# Altium PCB PCB_UDC_PlacaControle_V2.0.PcbDoc (part 5 of 7)
Units mm, origin at the board's own origin, x right, y up, seen from the top; angles counter-clockwise.
Board outline 161.76 x 100.25 mm, 6 copper layers (Top Layer, GND, Signal 1, Signal 2, VCC, Bottom Layer); 548 components, 515 nets, 2193 pads, 1225 vias.
Unrouted connection lines stored in the file: 7.
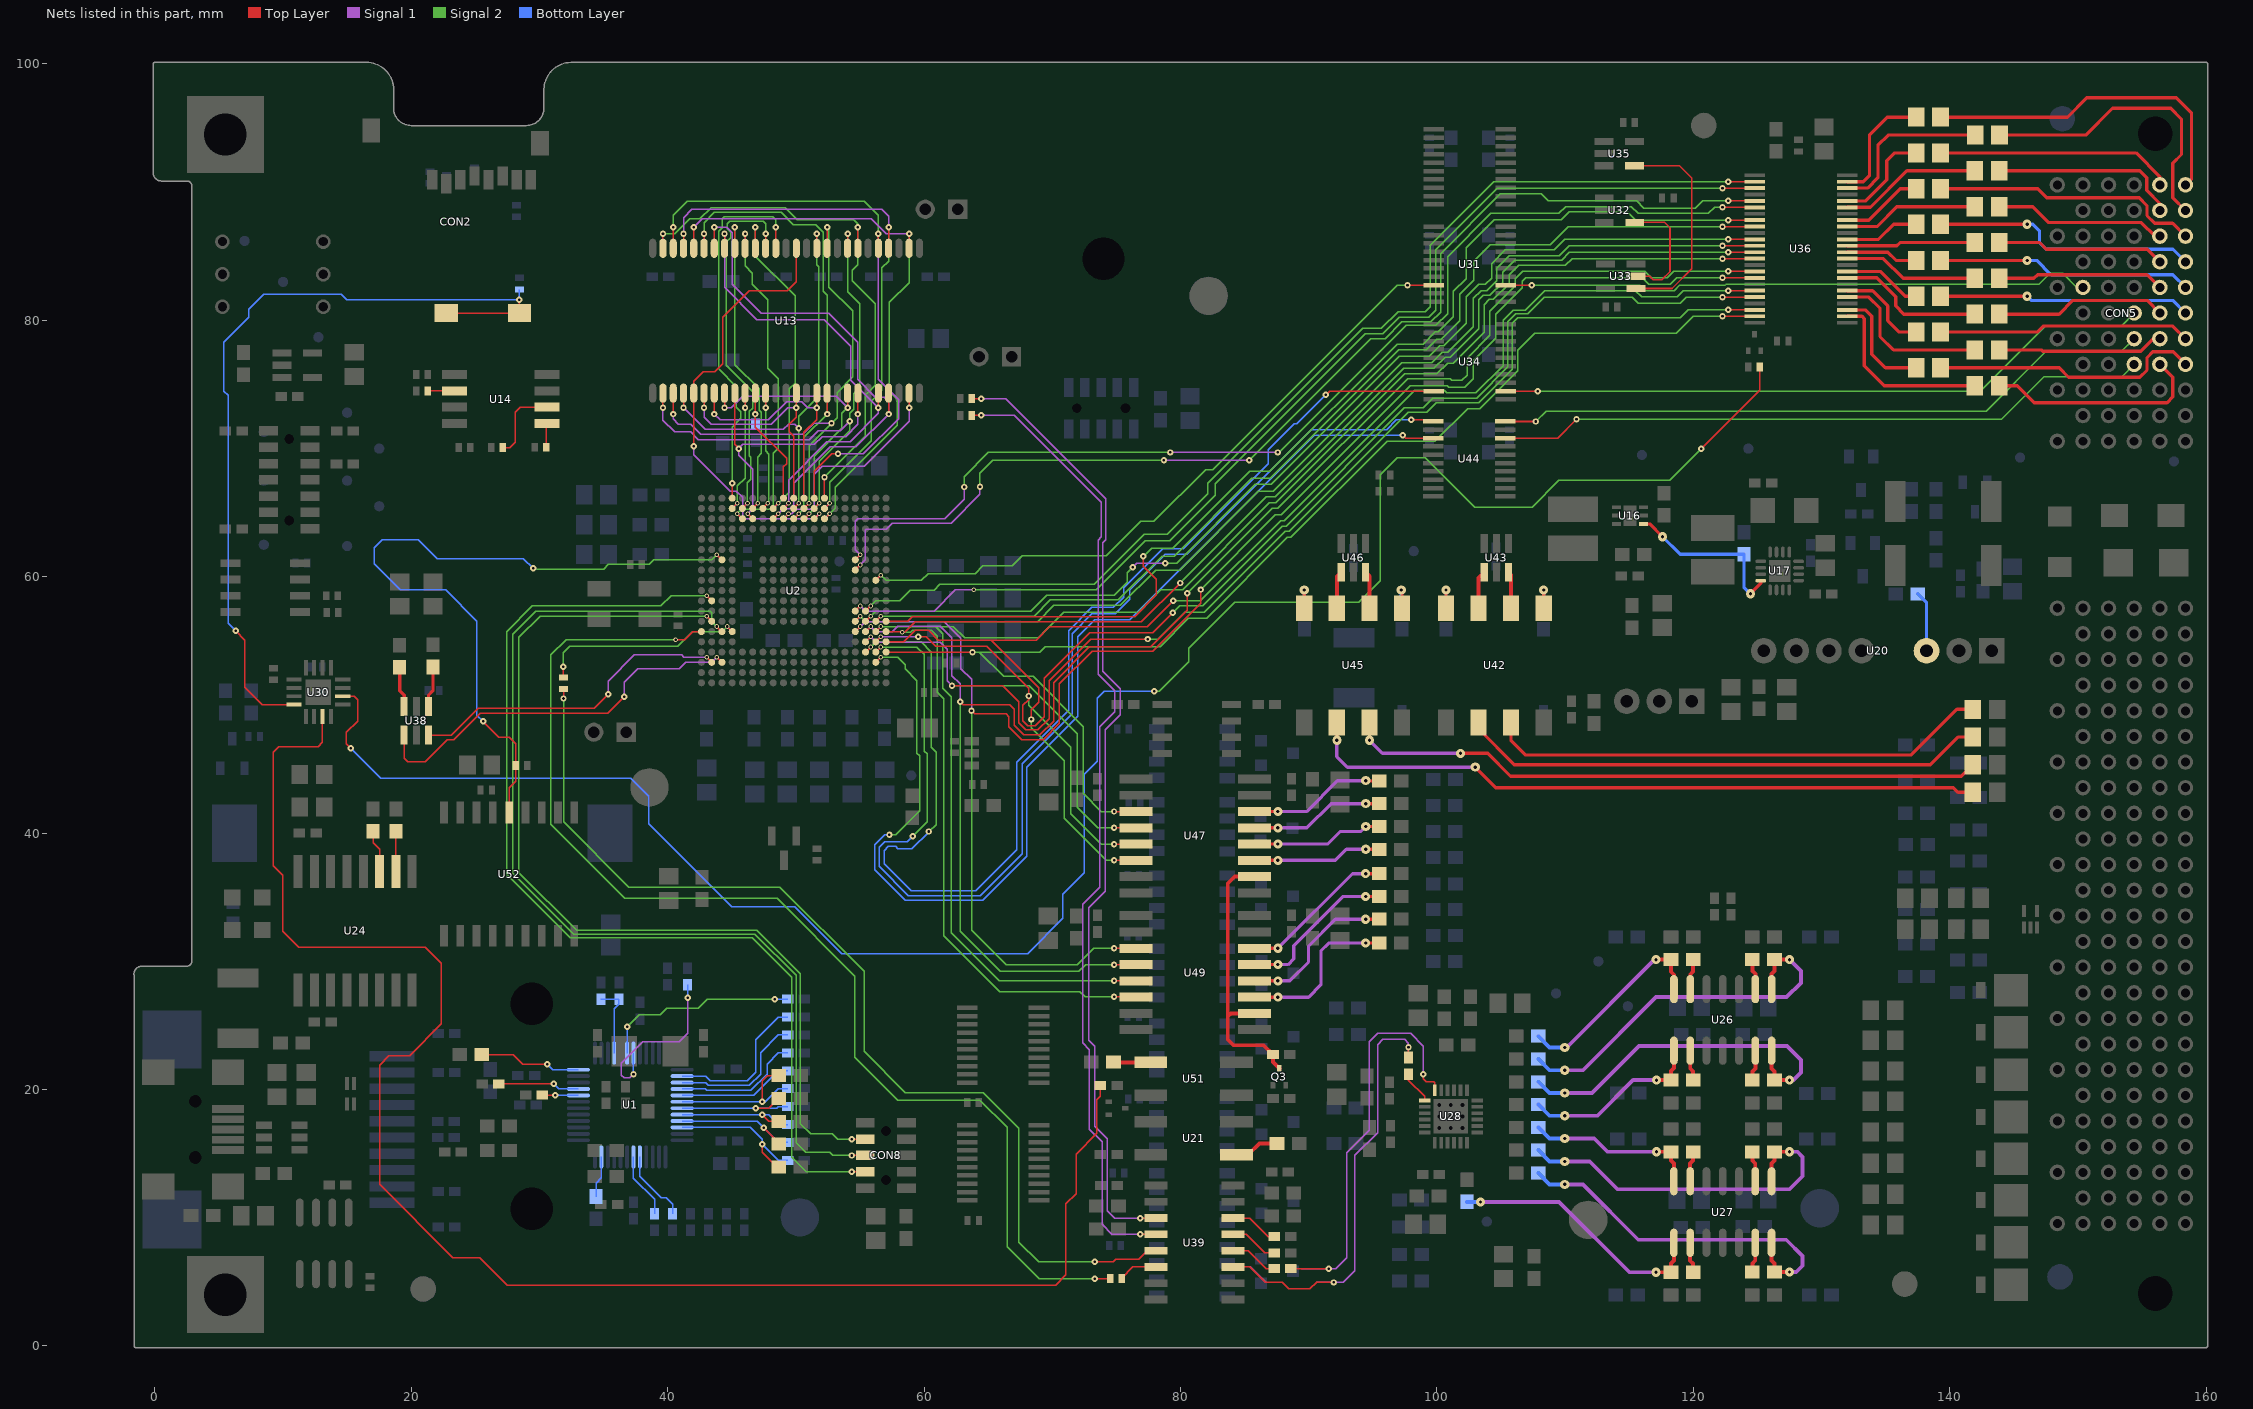
[diagram p9: the nets of this part, all layers, seen from the top]

## Via types
v1: diameter 0.711, hole 0.254, Top Layer to Bottom Layer, tented both sides, 600 vias
v2: diameter 0.5, hole 0.2, Top Layer to Bottom Layer, tented both sides, 404 vias
v3: diameter 0.36, hole 0.2, Top Layer to Bottom Layer, tented both sides, 212 vias
v4: diameter 0.5, hole 0.2, Top Layer to Bottom Layer, tented top, 5 vias
v5: diameter 0.5, hole 0.254, Top Layer to Bottom Layer, tented both sides, 2 vias
v6: diameter 0.5, hole 0.2, Top Layer to Bottom Layer, 2 vias

## Nets (pads, with @x,y where several pads share a name; then routed paths per layer and width w, separated by ;. In a path a pad name is that pad's centre, name@x,y a point inside that pad or via, vN(x,y) a via of type N, cw(c..) or ccw(c..) an arc to the next point about the centre after c; other vN are vias at no path point) (continued)
NetR9_2: R9.2 U1.5 | length 5.7
  Bottom Layer w0.102: U1.5@37.834,14.746 37.834,13.22 39.497,11.557 39.878,11.557 40.386,11.049 R9.2@40.386,10.317
NetR10_2: R10.2 U1.6 | length 5.1
  Bottom Layer w0.102: U1.6@37.334,14.746 37.334,13.085 38.989,11.43 R10.2@38.989,10.317
NetR11_2: R11.2 U1.38 | length 11.9
  Bottom Layer w0.102: U1.38@41.134,21.046 42.962,21.046 43.307,20.701 46.228,20.701 46.863,21.336 46.863,23.876 48.641,25.654 R11.2@49.373,25.654
NetR12_2: R12.2 U1.39 | length 10.9
  Bottom Layer w0.102: U1.39@41.134,20.546 42.954,20.546 43.18,20.32 46.355,20.32 47.244,21.209 47.244,22.86 48.641,24.257 R12.2@49.373,24.257
NetR13_2: R13.2 U1.41 | length 9
  Bottom Layer w0.102: U1.41@41.134,19.546 46.724,19.546 48.641,21.463 R13.2@49.373,21.463
NetR14_2: R14.2 R34.1 U1.42 | length 11.8
  Top Layer w0.102: v2(47.371,19.05) 47.371,20.701 47.752,21.082 R34.1@48.667,21.082
  Bottom Layer w0.102: U1.42@41.134,19.046 47.621,19.046 48.641,20.066 R14.2@49.373,20.066
NetR15_2: R15.2 R33.1 U1.43 | length 10.4
  Top Layer w0.102: v2(46.863,18.542) 47.905,18.542 R33.1@48.667,19.304
  Bottom Layer w0.102: U1.43@41.134,18.546 48.518,18.546 48.641,18.669 R15.2@49.373,18.669
NetR16_1: R16.1 U1.11 | length 3.3
  Bottom Layer w0.102: R16.1@34.417,11.658 34.417,12.7 34.834,13.117 U1.11@34.834,14.746
NetR17_2: R17.2 R32.1 U1.44 | length 10.1
  Top Layer w0.102: v2(47.371,18.034) 47.879,17.526 R32.1@48.667,17.526
  Bottom Layer w0.102: U1.44@41.134,18.046 47.867,18.046 48.641,17.272 R17.2@49.373,17.272
NetR18_2: R18.2 R31.1 U1.45 | length 10.7
  Top Layer w0.102: v2(47.498,17.018) 48.667,15.849 R31.1@48.667,15.748
  Bottom Layer w0.102: U1.45@41.134,17.546 46.97,17.546 v2(47.498,17.018) 48.641,15.875 R18.2@49.373,15.875
NetR19_2: R19.2 R30.1 U1.46 | length 11.9
  Top Layer w0.102: v2(47.371,15.748) 47.371,15.113 48.514,13.97 R30.1@48.667,13.97
  Bottom Layer w0.102: U1.46@41.134,17.046 46.454,17.046 47.371,16.129 v2(47.371,15.748) 48.641,14.478 R19.2@49.373,14.478
NetR20_2: R20.2 U1.40 | length 9.9
  Bottom Layer w0.102: U1.40@41.134,20.046 42.946,20.046 43.053,19.939 46.482,19.939 47.752,21.209 47.752,21.971 48.641,22.86 R20.2@49.373,22.86
NetR21_2: R21.2 U1.31 | length 13.5
  Signal 1 w0.102: v2(37.338,21.209) 37.033,20.904 36.601,20.904 36.398,21.107 36.398,22.047 38.075,23.724 40.894,23.724 41.554,24.384 v2(41.554,27.148)
  Bottom Layer w0.102: v2@37.334,21.34 U1.31@37.334,22.846 ; v2(41.554,27.148) R21.2@41.554,28.164
NetR22_2: R22.2 U1.30 | length 15.5
  Signal 2 w0.102: v2(36.834,24.892) 37.774,25.832 39.421,25.832 39.929,26.34 42.393,26.34 43.104,27.051 v2(48.357,27.051)
  Bottom Layer w0.102: U1.30@36.834,22.846 v2(36.834,24.892) ; v2(48.357,27.051) R22.2@49.373,27.051
NetR25_1: R25.1 R38.1 U1.28 | length 5.8
  Bottom Layer w0.102: R25.1@34.798,27.051 R38.1@36.195,27.051 36.195,26.67 35.834,26.309 U1.28@35.834,22.846
NetR26_2: R26.2 U1.21 | length 6.4
  Top Layer w0.102: R26.2@26.827,20.447 v2(31.115,20.447)
  Bottom Layer w0.102: v2(31.115,20.447) 31.516,20.046 U1.21@33.034,20.046
NetR29_1: R29.1 U1.20 | length 3
  Top Layer w0.102: R29.1@30.353,19.558 v2(31.242,19.558)
  Top Layer w0.254: R29.1@30.099,19.685 R29.1@30.353,19.431
  Bottom Layer w0.102: v2@31.254,19.546 U1.20@33.034,19.546
NetR35_1: R35.1 U1.24 | length 8
  Top Layer w0.102: R35.1@25.501,22.733 27.94,22.733 28.702,21.971 v2(30.607,21.971)
  Bottom Layer w0.102: v2(30.607,21.971) 31.032,21.546 U1.24@33.034,21.546
NetR57_2: R57.2 U14.2 | length 2.1
  Top Layer w0.102: R57.2@21.296,74.498 U14.2@23.375,74.498
NetR58_2: R58.2 U14.5 | length 1.8
  Top Layer w0.102: R58.2@30.542,70.104 U14.5@30.542,71.925
NetR59_2: R59.2 U14.6 | length 6.1
  Top Layer w0.102: R59.2@27.138,70.079 27.686,70.079 28.118,70.51 28.118,72.847 28.499,73.228 U14.6@30.575,73.228
NetR74_2: R74.2 U21.1 | length 3.5
  Top Layer w0.3: U21.1@84.376,14.933 85.291,14.933 86.164,15.806 R74.2@87.529,15.806
NetR76_1: R76.1 U20.3 | length 4.7
  Bottom Layer w0.254: R76.1@137.515,58.674 138.201,57.987 U20.3@138.201,54.229
NetR86_2: R86.2 U24.11 | length 3.4
  Top Layer w0.102: R86.2@17.018,40.158 17.018,39.243 17.526,38.735 U24.11@17.526,37.01
NetR87_2: R87.2 U24.10 | length 3.1
  Top Layer w0.102: U24.10@18.796,37.01 R87.2@18.796,40.158
NetR88_1: R88.1 U27.2 | length 2.4
  Top Layer w0.3: U27.2@119.761,8.048 119.761,6.651 119.989,6.423 R88.1@119.989,5.749
NetR88_2: R88.2 R90.1 U27.1 | length 20.6
  Top Layer w0.3: v1(117.098,5.749) R88.2@118.263,5.749 118.263,6.443 118.491,6.671 U27.1@118.491,8.048
  Signal 1 w0.3: v1(103.404,11.236) 109.534,11.236 115.021,5.749 v1(117.098,5.749)
  Bottom Layer w0.3: R90.1@102.362,11.236 v1(103.404,11.236)
NetR89_1: R89.1 U26.2 | length 2.4
  Top Layer w0.3: U26.2@119.765,23.034 119.765,21.64 119.992,21.413 R89.1@119.992,20.735
NetR89_2: R89.2 R91.1 U26.1 | length 14.3
  Top Layer w0.3: v1(117.128,20.735) R89.2@118.267,20.735 118.263,20.739 118.263,21.446 118.495,21.677 U26.1@118.495,23.034
  Signal 1 w0.3: v1(109.982,17.954) 112.535,17.954 115.316,20.735 v1(117.128,20.735)
  Bottom Layer w0.3: R91.1@107.924,18.83 108.8,17.954 v1(109.982,17.954)
NetR96_1: R96.1 U26.6 | length 2.4
  Top Layer w0.3: R96.1@124.617,20.735 124.617,21.413 124.845,21.64 U26.6@124.845,23.034
NetR96_2: R96.2 R98.1 U26.7 | length 28.5
  Top Layer w0.3: U26.7@126.115,23.034 126.115,21.64 126.342,21.413 R96.2@126.342,20.735 v1(127.508,20.735)
  Signal 1 w0.3: v1(109.982,19.732) 112.099,19.732 115.769,23.402 127.315,23.402 128.397,22.32 128.397,21.319 127.813,20.735 v1(127.508,20.735)
  Bottom Layer w0.3: R98.1@107.924,20.608 108.8,19.732 v1(109.982,19.732)
NetR97_1: R97.1 U27.6 | length 2.4
  Top Layer w0.3: R97.1@124.613,5.769 124.613,6.443 124.841,6.671 U27.6@124.841,8.048
NetR97_2: R97.2 R99.1 U27.7 | length 28.8
  Top Layer w0.3: U27.7@126.111,8.048 126.111,6.671 126.339,6.443 R97.2@126.339,5.769 v1(127.508,5.769)
  Signal 1 w0.3: v1(109.982,12.607) 111.392,12.607 115.71,8.289 127.254,8.289 128.524,7.019 128.524,6.257 128.036,5.769 v1(127.508,5.769)
  Bottom Layer w0.3: R99.1@107.924,13.483 108.8,12.607 v1(109.982,12.607)
NetR104_1: R104.1 U26.9 | length 2.4
  Top Layer w0.3: R104.1@124.617,30.133 124.617,29.261 124.845,29.034 U26.9@124.845,27.834
NetR104_2: R104.2 R106.1 U26.8 | length 29.4
  Top Layer w0.3: U26.8@126.115,27.834 126.115,29.026 126.342,29.254 R104.2@126.342,30.133 v1(127.508,30.133)
  Signal 1 w0.3: v1(109.982,21.51) 111.405,21.51 117.107,27.212 127.289,27.212 128.397,28.32 128.397,29.244 v1(127.508,30.133)
  Bottom Layer w0.3: R106.1@107.924,22.386 108.8,21.51 v1(109.982,21.51)
NetR105_1: R105.1 U27.9 | length 2.4
  Top Layer w0.3: R105.1@124.613,15.147 124.613,14.473 124.841,14.245 U27.9@124.841,12.848
NetR105_2: R105.2 R107.1 U27.8 | length 28.5
  Top Layer w0.3: U27.8@126.111,12.848 126.111,14.245 126.339,14.473 R105.2@126.339,15.147 v1(127.508,15.147)
  Signal 1 w0.3: v1(109.982,14.398) 111.931,14.398 114.103,12.226 127.508,12.226 128.524,13.242 128.524,14.75 128.127,15.147 v1(127.508,15.147)
  Bottom Layer w0.3: R107.1@107.924,15.274 108.8,14.398 v1(109.982,14.398)
NetR112_1: R112.1 U26.13 | length 2.4
  Top Layer w0.3: U26.13@119.765,27.834 119.765,28.981 119.992,29.209 R112.1@119.992,30.133
NetR112_2: R112.2 R114.1 U26.14 | length 15.9
  Top Layer w0.3: v1(117.093,30.133) R112.2@118.267,30.133 118.267,29.188 118.495,28.96 U26.14@118.495,27.834
  Signal 1 w0.3: v1@110.052,23.214 116.971,30.133 v1(117.093,30.133)
  Bottom Layer w0.3: R114.1@107.924,24.16 108.8,23.284 v1(109.982,23.284)
NetR113_1: R113.1 U27.13 | length 2.4
  Top Layer w0.3: U27.13@119.761,12.848 119.761,14.245 119.989,14.473 R113.1@119.989,15.147
NetR113_2: R113.2 R115.1 U27.14 | length 13.5
  Top Layer w0.3: v1(117.128,15.147) R113.2@118.263,15.147 118.263,14.473 118.491,14.245 U27.14@118.491,12.848
  Signal 1 w0.3: v1(109.982,16.176) 112.282,16.176 113.31,15.147 v1(117.128,15.147)
  Bottom Layer w0.3: R115.1@107.924,17.052 108.8,16.176 v1(109.982,16.176)
NetR122_1: R122.1 U36.2 | length 14.4
  Top Layer w0.254: U36.2@131.997,80.319 133.168,80.319 133.35,80.137 133.35,76.454 134.903,74.901 R122.1@141.966,74.901
NetR123_1: R123.1 U36.3 | length 9
  Top Layer w0.254: U36.3@131.997,80.819 133.43,80.819 133.934,80.315 133.934,77.359 134.996,76.298 R123.1@137.394,76.298
NetR124_1: R124.1 U36.5 | length 13
  Top Layer w0.254: U36.5@131.997,81.819 133.7,81.819 134.569,80.95 134.569,78.74 135.615,77.695 R124.1@141.966,77.695
NetR125_1: R125.1 U36.6 | length 7.4
  Top Layer w0.254: U36.6@131.997,82.319 133.988,82.319 135.179,81.128 135.179,79.985 136.072,79.092 R125.1@137.394,79.092
NetR126_1: R126.1 U36.8 | length 11.6
  Top Layer w0.254: U36.8@131.997,83.319 134.309,83.319 135.788,81.839 135.788,81.128 136.427,80.489 R126.1@141.966,80.489
NetR127_1: R127.1 U36.9 | length 6.2
  Top Layer w0.254: U36.9@131.997,83.819 134.596,83.819 136.529,81.886 R127.1@137.394,81.886
NetR128_1: R128.1 U36.11 | length 10.6
  Top Layer w0.254: U36.11@131.997,84.819 134.841,84.819 136.377,83.283 R128.1@141.966,83.283
NetR129_1: R129.1 U36.12 | length 5.7
  Top Layer w0.254: U36.12@131.997,85.319 135.179,85.319 135.818,84.68 R129.1@137.394,84.68
NetR130_1: R130.1 U36.13 | length 10.1
  Top Layer w0.254: U36.13@131.997,85.819 135.882,85.819 136.14,86.077 R130.1@141.966,86.077
NetR131_1: R131.1 U36.14 | length 5.9
  Top Layer w0.254: U36.14@131.997,86.319 134.452,86.319 135.632,87.499 R131.1@137.394,87.499
NetR132_1: R132.1 U36.16 | length 10.6
  Top Layer w0.254: U36.16@131.997,87.319 134.334,87.319 135.886,88.871 R132.1@141.966,88.871
NetR133_1: R133.1 U36.17 | length 6.4
  Top Layer w0.254: U36.17@131.997,87.819 133.691,87.819 136.14,90.268 R133.1@137.394,90.268
NetR134_1: R134.1 U36.19 | length 11.1
  Top Layer w0.254: U36.19@131.997,88.819 133.827,88.819 136.673,91.665 R134.1@141.966,91.665
NetR135_1: R135.1 U36.20 | length 7.8
  Top Layer w0.254: U36.20@131.997,89.319 133.464,89.319 135.103,90.957 135.103,92.456 135.708,93.062 137.364,93.062 R135.1@137.394,93.091
NetR136_1: R136.1 U36.22 | length 13.2
  Top Layer w0.254: U36.22@131.997,90.319 133.6,90.319 134.409,91.127 134.409,93.667 135.2,94.459 R136.1@141.991,94.459
NetR137_1: R137.1 U36.23 | length 9.3
  Top Layer w0.254: U36.23@131.997,90.819 133.262,90.819 133.756,91.313 133.756,94.475 135.137,95.856 R137.1@137.394,95.856
NetR142_2: R142.2 U38.4 | length 3.2
  Top Layer w0.254: U38.4@21.346,49.886 21.346,50.759 21.692,51.105 R142.2@21.692,52.96
NetR143_2: R143.2 U38.6 | length 3.2
  Top Layer w0.254: R143.2@19.101,52.934 19.101,51.11 19.446,50.764 U38.6@19.446,49.886
NetR149_2: R149.2 U39.3 | length 75.5
  Top Layer w0.102: R149.2@63.714,73.889 v2(64.465,73.889) ; v2(76.861,9.974) U39.3@78.084,9.974
  Signal 1 w0.102: v2(64.465,73.889) 66.355,73.889 74.168,66.076 74.168,62.89 73.939,62.662 73.939,52.629 75.286,51.283 75.286,49.225 74.117,48.057 74.117,35.458 72.847,34.188 72.847,23.851 73.33,23.368 73.33,17.145 74.295,16.18 74.295,10.541 74.862,9.974 v2(76.861,9.974)
NetR150_1: R150.1 U39.14 | length 3.8
  Top Layer w0.102: U39.14@84.084,9.974 85.402,9.974 86.856,8.52 R150.1@87.307,8.52
NetR151_2: R151.2 U39.4 | length 76.1
  Top Layer w0.102: R151.2@63.714,72.593 v2(64.465,72.593) ; v2(76.851,8.704) U39.4@78.074,8.704
  Signal 1 w0.102: v2(64.465,72.593) 67.056,72.593 73.838,65.811 73.838,63.119 73.584,62.865 73.584,52.4 74.879,51.105 74.879,49.454 73.711,48.285 73.711,35.789 72.365,34.442 72.365,23.647 72.898,23.114 72.898,16.916 73.889,15.926 73.889,9.474 74.658,8.704 v2(76.851,8.704)
NetR152_1: R152.1 U39.13 | length 3.8
  Top Layer w0.102: U39.13@84.084,8.704 85.138,8.704 86.583,7.26 R152.1@87.307,7.26
NetR153_2: R153.2 U39.5 | length 80
  Top Layer w0.102: v2(31.876,50.507) R153.2@31.876,51.246 ; v2(73.304,6.553) 74.769,6.553 74.972,6.756 76.747,6.756 77.425,7.434 U39.5@78.074,7.434
  Signal 2 w0.102: v2(31.876,50.507) 31.876,40.895 36.982,35.789 48.743,35.789 55.321,29.21 55.321,22.987 58.547,19.761 64.618,19.761 67.386,16.993 67.386,8.107 68.94,6.553 v2(73.304,6.553)
NetR154_1: R154.1 U39.12 | length 3.8
  Top Layer w0.102: U39.12@84.084,7.434 85.272,7.434 86.682,6.024 R154.1@87.307,6.024
NetR155_2: R155.2 U39.6 | length 3
  Top Layer w0.102: R155.2@75.413,5.283 76.294,6.164 U39.6@78.084,6.164
NetR156_1: R156.1 U39.11 | length 36.1
  Top Layer w0.102: U39.11@84.084,6.164 85.402,6.164 86.614,4.953 87.947,4.953 88.455,4.445 90.106,4.445 90.614,4.953 v2(91.948,4.953) ; R156.1@97.79,22.501 v2(97.79,23.306)
  Signal 1 w0.102: 85.428,6.164 86.64,4.953 ; 90.621,4.953 v2(91.948,4.953) 92.697,4.953 93.599,5.855 93.599,14.859 95.377,16.637 95.377,23.494 95.794,23.911 97.501,23.911 97.79,23.622 v2(97.79,23.306)
NetR161_1: R161.1 U42.4 | length 2.8
  Top Layer w0.254: U42.4@100.716,57.538 v1(100.716,58.977)
  Bottom Layer w0.254: R161.1@100.716,57.632 v1(100.716,58.977)
NetR162_1: R162.1 U42.1 | length 2.8
  Top Layer w0.254: U42.1@108.331,57.533 v1(108.331,58.977)
  Bottom Layer w0.254: R162.1@108.331,57.632 v1(108.331,58.977)
NetR163_1: R163.1 U42.7 | length 39.4
  Top Layer w0.254: U42.7@105.791,48.633 105.791,47.208 106.898,46.101 137.016,46.101 140.572,49.657 R163.1@141.806,49.657
NetR164_1: R164.1 U42.6 | length 41.1
  Top Layer w0.254: U42.6@103.251,48.633 103.251,48.133 106.045,45.339 138.488,45.339 140.647,47.498 R164.1@141.807,47.498
NetR165_1: R165.1 U45.4 | length 2.8
  Top Layer w0.254: U45.4@89.662,57.536 v1(89.662,58.977)
  Bottom Layer w0.254: R165.1@89.662,57.655 v1(89.662,58.977)
NetR166_1: R166.1 U45.1 | length 2.8
  Top Layer w0.254: v1@97.227,58.866 97.282,58.922 U45.1@97.282,57.536
  Bottom Layer w0.254: R166.1@97.227,57.687 v1(97.227,58.977)
NetR167_1: R167.1 U45.7 | length 50
  Top Layer w0.254: v1(94.742,47.244) U45.7@94.742,48.636 ; v1(101.854,46.228) 103.968,46.228 105.746,44.45 140.917,44.45 R167.1@141.806,45.339
  Signal 1 w0.254: v1(94.742,47.244) 95.758,46.228 v1(101.854,46.228)
NetR168_1: R168.1 U45.6 | length 53.4
  Top Layer w0.254: v1(92.202,47.244) U45.6@92.202,48.636 ; v1(102.997,45.152) 104.602,43.547 140.288,43.547 140.647,43.188 R168.1@141.807,43.188
  Signal 1 w0.254: v1(92.202,47.244) 92.202,45.974 93.024,45.152 v1(102.997,45.152)
NetR169_1: R169.1 U47.14 | length 10.7
  Top Layer w0.254: U47.14@85.778,41.688 v1(87.598,41.688) ; v1@94.454,44.078 R169.1@95.501,44.078
  Signal 1 w0.254: v1(87.598,41.688) 89.838,41.688 92.244,44.095 v1(94.454,44.095)
NetR170_1: R170.1 U47.13 | length 10.5
  Top Layer w0.254: U47.13@85.778,40.418 v1(87.598,40.418) ; v1(94.454,42.3) R170.1@95.501,42.3
  Signal 1 w0.254: v1(87.598,40.418) 89.867,40.418 91.749,42.3 v1(94.454,42.3)
NetR171_1: R171.1 U47.12 | length 10.3
  Top Layer w0.254: U47.12@85.778,39.148 v1(87.598,39.148) ; v1(94.454,40.522) R171.1@95.501,40.522
  Signal 1 w0.254: v1(87.598,39.148) 91.472,39.148 92.456,40.132 94.064,40.132 v1(94.454,40.522)
NetR172_1: R172.1 U47.11 | length 10.1
  Top Layer w0.254: U47.11@85.778,37.878 v1(87.598,37.878) ; v1(94.454,38.744) R172.1@95.501,38.744
  Signal 1 w0.254: v1(87.598,37.878) 92.082,37.878 92.948,38.744 v1(94.454,38.744)
NetR173_1: R173.1 U49.14 | length 12.1
  Top Layer w0.254: U49.14@85.778,31.02 v1(87.598,31.02) ; v1(94.45,36.843) R173.1@95.496,36.843
  Signal 1 w0.254: v1(87.598,31.02) 93.42,36.843 v1(94.45,36.843)
NetR174_1: R174.1 U49.13 | length 12.5
  Top Layer w0.254: U49.13@85.778,29.75 v1(87.598,29.75) ; v1(94.45,35.065) R174.1@95.496,35.065
  Signal 1 w0.254: v1(87.598,29.75) 88.394,29.75 88.844,30.2 88.844,31.218 92.691,35.065 v1(94.45,35.065)
NetR175_1: R175.1 U49.12 | length 12.4
  Top Layer w0.254: U49.12@85.778,28.48 v1(87.598,28.48) ; v1(94.45,33.287) R175.1@95.496,33.287
  Signal 1 w0.254: v1(87.598,28.48) 88.526,28.48 89.991,29.946 89.991,31.19 92.088,33.287 v1(94.45,33.287)
NetR176_1: R176.1 U49.11 | length 13
  Top Layer w0.254: U49.11@85.778,27.21 v1(87.598,27.21) ; v1(94.45,31.427) R176.1@95.496,31.427
  Signal 1 w0.254: v1(87.598,27.21) 89.997,27.21 90.957,28.171 90.957,30.81 91.574,31.427 v1(94.45,31.427)
NetR177_2: R177.2 U51.1 | length 2.9
  Top Layer w0.3: R177.2@74.821,22.113 U51.1@77.676,22.113
NetU32_4: U32.4 U33.2 | length 9.4
  Top Layer w0.127: U32.4@115.443,87.645 117.765,87.645 118.186,87.224 118.186,83.795 117.551,83.16 116.891,83.16 116.613,83.438 U33.2@115.545,83.438
NetU33_1: U33.1 U35.4 | length 16.9
  Top Layer w0.127: U35.4@115.418,92.065 118.933,92.065 119.888,91.11 119.888,84.023 118.352,82.488 U33.1@115.545,82.488
NetU42_2: U42.2 U43.6 | length 2.9
  Top Layer w0.3: U43.6@105.598,60.35 105.791,60.157 U42.2@105.791,57.533
NetU42_3: U42.3 U43.4 | length 3
  Top Layer w0.3: U42.3@103.251,57.533 103.251,59.903 U43.4@103.698,60.35
NetU45_2: U45.2 U46.6 | length 2.9
  Top Layer w0.3: U46.6@94.438,60.35 94.742,60.047 U45.2@94.742,57.536
NetU45_3: U45.3 U46.4 | length 3
  Top Layer w0.3: U45.3@92.202,57.536 92.202,60.014 U46.4@92.538,60.35
OPERATIONARM: U2.C18 U38.3 | length 25.5
  Top Layer w0.102: U38.3@21.346,47.65 23.114,47.65 25.216,49.753 34.284,49.753 v2(35.357,50.825) ; v3(43.042,53.721) U2.C18@43.435,53.328
  Signal 1 w0.102: v2(35.357,50.825) 35.357,51.867 37.389,53.899 41.097,53.899 41.275,53.721 v3(43.042,53.721)
OPERATIONDSP: U2.C17 U38.1 | length 30.9
  Top Layer w0.102: U38.1@19.446,47.65 19.446,45.857 19.736,45.568 21.082,45.568 22.81,47.296 23.318,47.296 25.375,49.352 35.313,49.352 v2(36.608,50.648) ; v3(43.842,53.721) U2.C17@44.235,53.328
  Signal 1 w0.102: v2(36.608,50.648) 36.608,51.765 37.675,52.832 40.919,52.832 41.415,53.328 43.448,53.328 v3(43.842,53.721)
POWER_GOOD: R68.2 U16.4 U17.4 | length 13.5
  Top Layer w0.254: U16.4@116.116,64.12 116.601,64.12 v1(117.602,63.119) ; v1(124.46,58.674) 125.271,59.485 U17.4@125.271,59.702
  Bottom Layer w0.254: v1(117.602,63.119) 118.973,61.748 R68.2@123.952,61.748 123.952,59.182 v1(124.46,58.674)
PWM_1A: U2.D1 U36.47 U47.3 | length 100
  Top Layer w0.102: U2.D1@57.035,54.128 v2(63.779,54.127) ; v2(74.821,41.688) U47.3@76.528,41.688 ; v2(122.282,80.319) U36.47@124.797,80.319
  Signal 2 w0.102: v2(63.779,54.127) 64.313,54.127 ; v2(74.821,41.688) 73.831,41.688 72.415,43.104 72.415,48.311 68.504,52.222 66.218,52.222 64.313,54.127 ; v2(122.282,80.319) 119.993,80.319 118.669,78.994 107.62,78.994 106.299,77.673 106.299,76.073 103.353,73.127 102.413,73.127 99.847,70.561 96.114,70.561 88.621,63.068 88.341,63.068 82.042,56.769 80.62,56.769 78.41,54.559 69.469,54.559 69.037,54.127 64.313,54.127
PWM_1B: U2.E3 U36.46 U47.4 | length 114.7
  Top Layer w0.102: U2.E3@55.435,54.928 v3(55.828,55.321) ; v2(62.179,51.511) 66.142,51.511 67.386,50.267 67.386,48.616 67.945,48.057 68.885,48.057 69.748,48.92 69.748,51.892 73,55.143 v2(77.445,55.143) ; v2(74.821,40.418) U47.4@76.528,40.418 ; v2(122.746,80.819) U36.46@124.797,80.819
  Signal 1 w0.102: v3(55.828,55.321) 56.26,54.889 61.265,54.889 61.798,54.356 61.798,51.892 v2(62.179,51.511)
  Signal 2 w0.102: v2(62.179,51.511) 68.199,51.511 71.958,47.752 71.958,42.012 73.551,40.418 v2(74.821,40.418) ; v2(77.445,55.143) 78.232,55.143 80.34,57.252 81.864,57.252 88.163,63.551 88.494,63.551 97.765,72.822 99.212,72.822 99.949,73.558 103.276,73.558 105.893,76.175 105.893,79.781 106.299,80.188 118.974,80.188 119.604,80.819 v2(122.746,80.819)
PWM_2A: U2.E2 U36.44 U47.5 | length 108.4
  Top Layer w0.102: U2.E2@56.235,54.928 v3(56.628,55.321) ; v2(59.563,55.321) 60.185,55.321 60.922,54.585 64.897,54.585 68.174,51.308 v2(68.174,50.698) 68.174,50.419 67.716,49.962 67.716,48.768 68.097,48.387 68.682,48.387 69.393,49.098 69.393,52.095 72.923,55.626 77.826,55.626 v2(79.4,57.201) ; v2(74.821,39.148) U47.5@76.528,39.148 ; v2(122.282,81.819) U36.44@124.797,81.819
  Signal 1 w0.102: v3(56.628,55.321) v2(59.563,55.321)
  Signal 2 w0.102: v2(68.174,50.698) 68.174,49.962 71.45,46.685 71.45,41.504 73.805,39.148 v2(74.821,39.148) ; v2(79.4,57.201) 79.934,57.735 81.738,57.735 87.96,63.957 88.24,63.957 97.46,73.177 98.933,73.177 99.695,73.939 103.099,73.939 105.537,76.378 105.537,79.908 106.147,80.518 107.086,80.518 108.387,81.819 115.235,81.819 115.697,81.356 118.999,81.356 119.461,81.819 v2(122.282,81.819)